# Altium PCB host_board.PcbDoc (part 7 of 8) (continued)
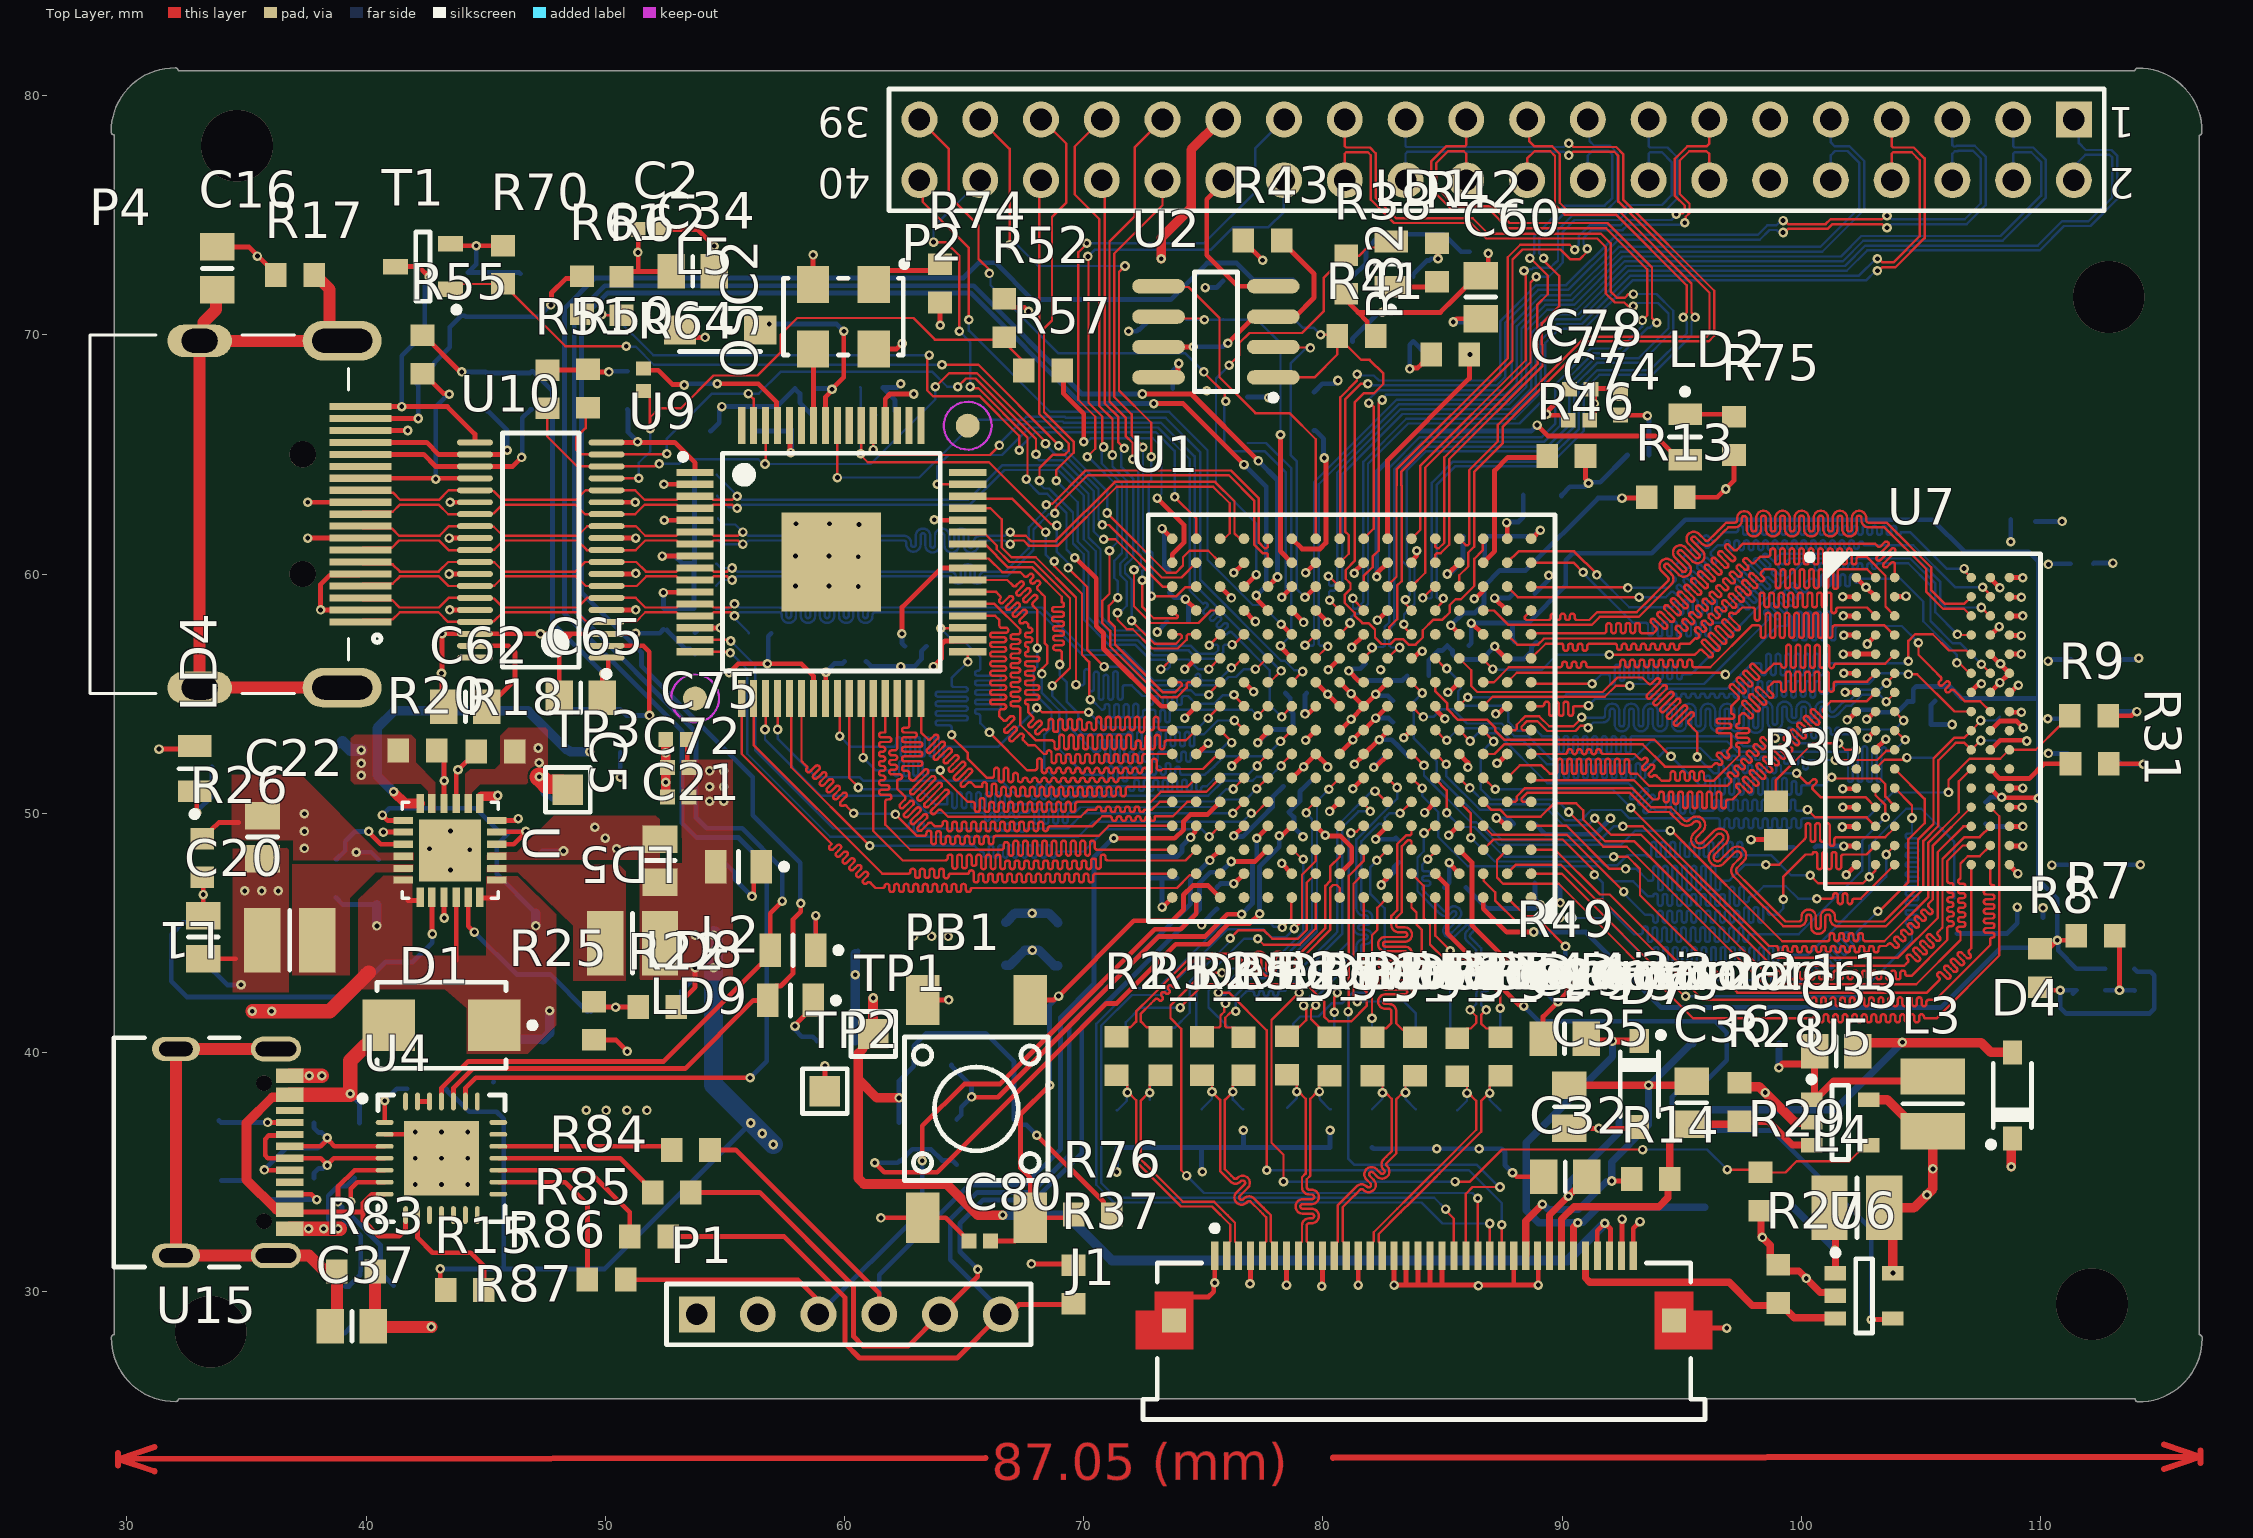
[diagram p0: Top Layer view]
## Nets (pads, with @x,y where several pads share a name; then routed paths per layer and width w, separated by ;. In a path a pad name is that pad's centre, name@x,y a point inside that pad or via, vN(x,y) a via of type N, cw(c..) or ccw(c..) an arc to the next point about the centre after c; other vN are vias at no path point) (continued)
HDMI_D11: U1.E15 U9.30 | length 31.8
  Top Layer w0.1: U9.30@62.2,54.8 62.2,52.925 62.2,52.825 62.2,52.725 cw(c62.1,52.725) 62.1,52.625 61.971,52.625 ccw(c61.971,52.525) 61.871,52.525 ccw(c61.971,52.525) 61.971,52.425 62.1,52.425 cw(c62.1,52.325) 62.2,52.325 cw(c62.1,52.325) 62.1,52.225 61.971,52.225 ccw(c61.971,52.125) 61.871,52.125 ccw(c61.971,52.125) 61.971,52.025 62.1,52.025 cw(c62.1,51.925) 62.2,51.925 cw(c62.1,51.925) 62.1,51.825 61.971,51.825 ccw(c61.971,51.725) 61.871,51.725 ccw(c61.971,51.725) 61.971,51.625 62.2,51.625 62.306,51.625 cw(c62.306,51.525) 62.406,51.525 cw(c62.306,51.525) 62.306,51.425 62.3,51.425 ccw(c62.3,51.325) 62.2,51.325 62.2,51.225 62.2,51.202 62.2,51.025 62.375,50.85 62.446,50.779 62.516,50.709 cw(c62.446,50.638) 62.516,50.567 62.327,50.378 ccw(c62.398,50.308) 62.327,50.237 ccw(c62.398,50.308) 62.469,50.237 62.729,50.496 cw(c62.799,50.426) 62.87,50.496 cw(c62.799,50.426) 62.87,50.355 62.507,49.992 ccw(c62.578,49.921) 62.507,49.851 ccw(c62.578,49.921) 62.649,49.851 63.011,50.214 cw(c63.082,50.143) 63.153,50.214 ; 63.153,50.213 cw(c63.082,50.143) 63.153,50.072 62.79,49.709 ccw(c62.861,49.639) 62.79,49.568 ccw(c62.861,49.639) 62.931,49.568 63.294,49.931 cw(c63.365,49.86) 63.435,49.931 ; 63.436,49.931 cw(c63.365,49.86) 63.436,49.789 63.073,49.426 ccw(c63.143,49.356) 63.073,49.285 ccw(c63.143,49.356) 63.214,49.285 63.506,49.577 cw(c63.577,49.507) 63.648,49.577 63.718,49.507 63.775,49.45 64,49.45 ccw(c64,49.55) 64.1,49.55 64.1,49.577 cw(c64.2,49.577) 64.2,49.677 cw(c64.2,49.577) 64.3,49.577 64.3,49.45 64.3,49.343 ccw(c64.4,49.343) 64.4,49.243 ccw(c64.4,49.343) 64.5,49.343 64.5,49.45 64.5,49.55 cw(c64.6,49.55) 64.6,49.65 cw(c64.6,49.55) 64.7,49.55 64.7,49.45 64.7,49.343 ccw(c64.8,49.343) 64.8,49.243 ccw(c64.8,49.343) 64.9,49.343 64.9,49.45 64.9,49.55 cw(c65,49.55) 65,49.65 cw(c65,49.55) 65.1,49.55 65.1,49.45 65.1,49.343 ccw(c65.2,49.343) 65.2,49.243 ccw(c65.2,49.343) 65.3,49.343 65.3,49.45 65.3,49.55 cw(c65.4,49.55) 65.4,49.65 cw(c65.4,49.55) 65.5,49.55 65.5,49.45 65.5,49.343 ccw(c65.6,49.343) 65.6,49.243 ccw(c65.6,49.343) 65.7,49.343 65.7,49.45 65.7,49.55 cw(c65.8,49.55) 65.8,49.65 cw(c65.8,49.55) 65.9,49.55 65.9,49.45 65.9,49.343 ccw(c66,49.343) 66,49.243 ccw(c66,49.343) 66.1,49.343 66.1,49.45 66.1,49.55 cw(c66.2,49.55) 66.2,49.65 cw(c66.2,49.55) 66.3,49.55 66.3,49.45 66.3,49.35 ccw(c66.4,49.35) 66.4,49.25 ccw(c66.4,49.35) 66.5,49.35 66.5,49.45 66.5,49.55 cw(c66.6,49.55) 66.6,49.65 cw(c66.6,49.55) 66.7,49.55 66.7,49.45 66.7,49.35 ccw(c66.8,49.35) 66.8,49.25 ccw(c66.8,49.35) 66.9,49.35 66.9,49.45 66.9,49.55 cw(c67,49.55) 67,49.65 cw(c67,49.55) 67.1,49.55 67.1,49.45 67.1,49.35 ccw(c67.2,49.35) 67.2,49.25 ccw(c67.2,49.35) 67.3,49.35 67.3,49.45 67.3,49.55 cw(c67.4,49.55) 67.4,49.65 cw(c67.4,49.55) 67.5,49.55 67.5,49.45 67.5,49.35 ccw(c67.6,49.35) 67.6,49.25 ccw(c67.6,49.35) 67.7,49.35 67.7,49.45 67.7,49.55 cw(c67.8,49.55) 67.8,49.65 cw(c67.8,49.55) 67.9,49.55 67.9,49.45 67.9,49.35 ccw(c68,49.35) 68,49.25 ccw(c68,49.35) 68.1,49.35 68.1,49.45 68.1,49.55 cw(c68.2,49.55) 68.2,49.65 cw(c68.2,49.55) 68.3,49.55 68.3,49.45 68.3,49.35 ccw(c68.4,49.35) 68.4,49.25 ccw(c68.4,49.35) 68.5,49.35 cw(c68.6,49.35) 68.6,49.45 70.35,49.45 70.599,49.699 70.775,49.875 70.875,49.875 70.975,49.875 71.075,49.875 cw(c71.075,49.775) 71.175,49.775 ccw(c71.275,49.775) 71.275,49.675 ccw(c71.275,49.775) 71.375,49.775 cw(c71.475,49.775) 71.475,49.875 cw(c71.475,49.775) 71.575,49.775 ccw(c71.675,49.775) 71.675,49.675 ccw(c71.675,49.775) 71.775,49.775 cw(c71.875,49.775) 71.875,49.875 cw(c71.875,49.775) 71.975,49.775 ccw(c72.075,49.775) 72.075,49.675 ccw(c72.075,49.775) 72.175,49.775 cw(c72.275,49.775) 72.275,49.875 cw(c72.275,49.775) 72.375,49.775 ccw(c72.475,49.775) 72.475,49.675 ccw(c72.475,49.775) 72.575,49.775 cw(c72.675,49.775) 72.675,49.875 cw(c72.675,49.775) 72.775,49.775 ccw(c72.875,49.775) 72.875,49.675 ccw(c72.875,49.775) 72.975,49.775 72.975,49.85 cw(c73,49.85) 73,49.875 73.725,49.875 74.325,50.475 U1.E15@74.7,50.475
HDMI_D12: U1.C16 U9.29 | length 31.6
  Top Layer w0.1: U9.29@61.7,54.8 61.7,53.4 cw(c61.675,53.4) 61.675,53.375 61.54,53.375 ccw(c61.54,53.275) 61.44,53.275 ccw(c61.54,53.275) 61.54,53.175 61.7,53.175 61.86,53.175 cw(c61.86,53.075) 61.96,53.075 cw(c61.86,53.075) 61.86,52.975 61.7,52.975 61.54,52.975 ccw(c61.54,52.875) 61.44,52.875 ccw(c61.54,52.875) 61.54,52.775 61.6,52.775 cw(c61.6,52.675) 61.7,52.675 cw(c61.6,52.675) 61.6,52.575 61.54,52.575 ccw(c61.54,52.475) 61.44,52.475 ccw(c61.54,52.475) 61.54,52.375 61.6,52.375 cw(c61.6,52.275) 61.7,52.275 cw(c61.6,52.275) 61.6,52.175 61.54,52.175 ccw(c61.54,52.075) 61.44,52.075 ccw(c61.54,52.075) 61.54,51.975 61.6,51.975 cw(c61.6,51.875) 61.7,51.875 cw(c61.6,51.875) 61.6,51.775 61.54,51.775 ccw(c61.54,51.675) 61.44,51.675 ccw(c61.54,51.675) 61.54,51.575 61.6,51.575 cw(c61.6,51.475) 61.7,51.475 cw(c61.6,51.475) 61.6,51.375 61.54,51.375 ccw(c61.54,51.275) 61.44,51.275 ccw(c61.54,51.275) 61.54,51.175 61.7,51.175 61.77,51.175 cw(c61.77,51.075) 61.87,51.075 cw(c61.77,51.075) 61.77,50.975 61.7,50.975 61.54,50.975 ccw(c61.54,50.875) 61.44,50.875 ccw(c61.54,50.875) 61.54,50.775 61.7,50.775 61.86,50.775 cw(c61.86,50.675) 61.96,50.675 cw(c61.86,50.675) 61.86,50.575 61.8,50.575 ccw(c61.8,50.475) 61.7,50.475 61.7,50.375 61.7,50.275 61.7,49.525 62.75,48.475 66.34,48.475 66.56,48.475 ccw(c66.56,48.575) 66.66,48.575 66.66,48.695 cw(c66.76,48.695) 66.86,48.695 66.86,48.325 ccw(c66.96,48.325) 67.06,48.325 67.06,48.75 cw(c67.16,48.75) 67.26,48.75 67.26,48.325 ccw(c67.36,48.325) 67.46,48.325 67.46,48.75 cw(c67.56,48.75) 67.66,48.75 67.66,48.325 ccw(c67.76,48.325) 67.86,48.325 67.86,48.75 cw(c67.96,48.75) 68.06,48.75 68.06,48.325 ccw(c68.16,48.325) 68.26,48.325 68.26,48.75 cw(c68.36,48.75) 68.46,48.75 68.46,48.325 ccw(c68.56,48.325) 68.66,48.325 68.66,48.75 cw(c68.76,48.75) 68.86,48.75 68.86,48.325 ccw(c68.96,48.325) 69.06,48.325 69.06,48.75 cw(c69.16,48.75) 69.26,48.75 69.26,48.325 ccw(c69.36,48.325) 69.46,48.325 69.46,48.75 cw(c69.56,48.75) 69.66,48.75 69.66,48.325 ccw(c69.76,48.325) 69.86,48.325 69.86,48.75 cw(c69.96,48.75) 70.06,48.75 70.06,48.325 ccw(c70.16,48.325) 70.26,48.325 70.26,48.75 cw(c70.36,48.75) 70.46,48.75 70.46,48.575 ccw(c70.56,48.575) 70.56,48.475 71.21,48.475 U1.C16@73.7,48.475
HDMI_D13: U1.C15 U9.28 | length 31.6
  Top Layer w0.1: U9.28@61.2,54.8 61.2,49.26 62.435,48.025 64.21,48.025 ccw(c64.21,48.125) 64.31,48.125 64.31,48.171 cw(c64.41,48.171) 64.41,48.271 cw(c64.41,48.171) 64.51,48.171 64.51,48.025 64.51,47.779 ccw(c64.61,47.779) 64.61,47.679 ccw(c64.61,47.779) 64.71,47.779 64.71,48.025 64.71,48.171 cw(c64.81,48.171) 64.81,48.271 cw(c64.81,48.171) 64.91,48.171 64.91,48.025 64.91,47.79 ccw(c65.01,47.79) 65.01,47.69 ccw(c65.01,47.79) 65.11,47.79 65.11,48.025 65.11,48.171 cw(c65.21,48.171) 65.21,48.271 cw(c65.21,48.171) 65.31,48.171 65.31,48.025 65.31,47.899 ccw(c65.41,47.899) 65.41,47.799 ccw(c65.41,47.899) 65.51,47.899 65.51,48.025 65.51,48.171 cw(c65.61,48.171) 65.61,48.271 cw(c65.61,48.171) 65.71,48.171 65.71,48.025 65.71,47.763 ccw(c65.81,47.763) 65.81,47.663 ccw(c65.81,47.763) 65.91,47.763 65.91,48.025 65.91,48.171 cw(c66.01,48.171) 66.01,48.271 cw(c66.01,48.171) 66.11,48.171 66.11,48.025 66.11,47.763 ccw(c66.21,47.763) 66.21,47.663 ccw(c66.21,47.763) 66.31,47.763 66.31,48.025 66.31,48.171 cw(c66.41,48.171) 66.41,48.271 cw(c66.41,48.171) 66.51,48.171 66.51,48.025 66.51,47.763 ccw(c66.61,47.763) 66.61,47.663 ccw(c66.61,47.763) 66.71,47.763 66.71,47.925 cw(c66.81,47.925) 66.81,48.025 cw(c66.81,47.925) 66.91,47.925 66.91,47.763 ccw(c67.01,47.763) 67.01,47.663 ccw(c67.01,47.763) 67.11,47.763 67.11,47.925 cw(c67.21,47.925) 67.21,48.025 cw(c67.21,47.925) 67.31,47.925 67.31,47.763 ccw(c67.41,47.763) 67.41,47.663 ccw(c67.41,47.763) 67.51,47.763 67.51,47.925 cw(c67.61,47.925) 67.61,48.025 cw(c67.61,47.925) 67.71,47.925 67.71,47.763 ccw(c67.81,47.763) 67.81,47.663 ccw(c67.81,47.763) 67.91,47.763 67.91,47.925 cw(c68.01,47.925) 68.01,48.025 cw(c68.01,47.925) 68.11,47.925 68.11,47.763 ccw(c68.21,47.763) 68.21,47.663 ccw(c68.21,47.763) 68.31,47.763 68.31,47.925 cw(c68.41,47.925) 68.41,48.025 cw(c68.41,47.925) 68.51,47.925 68.51,47.763 ccw(c68.61,47.763) 68.61,47.663 ccw(c68.61,47.763) 68.71,47.763 68.71,47.925 cw(c68.81,47.925) 68.81,48.025 cw(c68.81,47.925) 68.91,47.925 68.91,47.763 ccw(c69.01,47.763) 69.01,47.663 ccw(c69.01,47.763) 69.11,47.763 69.11,47.925 cw(c69.21,47.925) 69.21,48.025 cw(c69.21,47.925) 69.31,47.925 69.31,47.763 ccw(c69.41,47.763) 69.41,47.663 ccw(c69.41,47.763) 69.51,47.763 69.51,47.925 cw(c69.61,47.925) 69.61,48.025 cw(c69.61,47.925) 69.71,47.925 69.71,47.763 ccw(c69.81,47.763) 69.81,47.663 ccw(c69.81,47.763) 69.91,47.763 69.91,47.925 cw(c70.01,47.925) 70.01,48.025 cw(c70.01,47.925) 70.11,47.925 70.11,47.763 ccw(c70.21,47.763) 70.21,47.663 ccw(c70.21,47.763) 70.31,47.763 70.31,48.025 cw(c70.385,48.025) 70.385,48.1 70.435,48.1 cw(c70.435,48.025) 70.51,48.025 70.51,47.779 ccw(c70.61,47.779) 70.61,47.679 ccw(c70.61,47.779) 70.71,47.779 70.71,48.025 70.71,48.171 cw(c70.81,48.171) 70.81,48.271 cw(c70.81,48.171) 70.91,48.171 70.91,48.115 ccw(c71,48.115) 71,48.025 74.25,48.025 U1.C15@74.7,48.475
HDMI_D14: U1.F14 U9.27 | length 30.1
  Top Layer w0.1: U9.27@60.7,54.8 60.675,54.775 60.775,54.675 v1(60.775,52.325) ; v1(64,51.8) 64,51.625 65.15,50.475 65.25,50.475 65.35,50.475 cw(c65.35,50.375) 65.45,50.375 65.45,50.15 ccw(c65.55,50.15) 65.55,50.05 ccw(c65.55,50.15) 65.65,50.15 65.65,50.475 65.65,50.536 cw(c65.75,50.536) 65.75,50.636 cw(c65.75,50.536) 65.85,50.536 65.85,50.475 65.85,50.15 ccw(c65.95,50.15) 65.95,50.05 ccw(c65.95,50.15) 66.05,50.15 66.05,50.375 cw(c66.15,50.375) 66.15,50.475 cw(c66.15,50.375) 66.25,50.375 66.25,50.15 ccw(c66.35,50.15) 66.35,50.05 ccw(c66.35,50.15) 66.45,50.15 66.45,50.375 cw(c66.55,50.375) 66.55,50.475 cw(c66.55,50.375) 66.65,50.375 66.65,50.15 ccw(c66.75,50.15) 66.75,50.05 ccw(c66.75,50.15) 66.85,50.15 66.85,50.375 cw(c66.95,50.375) 66.95,50.475 cw(c66.95,50.375) 67.05,50.375 67.05,50.15 ccw(c67.15,50.15) 67.15,50.05 ccw(c67.15,50.15) 67.25,50.15 67.25,50.375 cw(c67.35,50.375) 67.35,50.475 cw(c67.35,50.375) 67.45,50.375 67.45,50.15 ccw(c67.55,50.15) 67.55,50.05 ccw(c67.55,50.15) 67.65,50.15 67.65,50.375 cw(c67.75,50.375) 67.75,50.475 cw(c67.75,50.375) 67.85,50.375 67.85,50.15 ccw(c67.95,50.15) 67.95,50.05 ccw(c67.95,50.15) 68.05,50.15 68.05,50.375 cw(c68.15,50.375) 68.15,50.475 cw(c68.15,50.375) 68.25,50.375 68.25,50.15 ccw(c68.35,50.15) 68.35,50.05 ccw(c68.35,50.15) 68.45,50.15 68.45,50.375 cw(c68.55,50.375) 68.55,50.475 cw(c68.55,50.375) 68.65,50.375 68.65,50.15 ccw(c68.75,50.15) 68.75,50.05 ccw(c68.75,50.15) 68.85,50.15 68.85,50.375 cw(c68.95,50.375) 68.95,50.475 cw(c68.95,50.375) 69.05,50.375 69.05,50.15 ccw(c69.15,50.15) 69.15,50.05 ccw(c69.15,50.15) 69.25,50.15 69.25,50.375 cw(c69.35,50.375) 69.35,50.475 cw(c69.35,50.375) 69.45,50.375 69.45,50.15 ccw(c69.55,50.15) 69.55,50.05 ccw(c69.55,50.15) 69.65,50.15 69.65,50.375 cw(c69.75,50.375) 69.75,50.475 69.85,50.475 70.05,50.475 70.075,50.475 72.8,50.475 73.225,50.9 75.125,50.9 U1.F14@75.7,51.475
  Bottom Layer w0.1: v1(60.775,52.325) 61.3,51.8 62,51.8 cw(c62,51.725) 62.075,51.725 62.075,51.65 ccw(c62.175,51.65) 62.175,51.55 ccw(c62.175,51.65) 62.275,51.65 62.275,51.8 62.275,52.075 cw(c62.375,52.075) 62.375,52.175 cw(c62.375,52.075) 62.475,52.075 62.475,51.8 62.475,51.65 ccw(c62.575,51.65) 62.575,51.55 ccw(c62.575,51.65) 62.675,51.65 62.675,51.8 62.675,52.075 cw(c62.775,52.075) 62.775,52.175 cw(c62.775,52.075) 62.875,52.075 62.875,51.8 62.875,51.65 ccw(c62.975,51.65) 62.975,51.55 ccw(c62.975,51.65) 63.075,51.65 63.075,51.8 63.075,52.075 cw(c63.175,52.075) 63.175,52.175 cw(c63.175,52.075) 63.275,52.075 63.275,51.8 63.275,51.65 ccw(c63.375,51.65) 63.375,51.55 ccw(c63.375,51.65) 63.475,51.65 63.475,51.7 cw(c63.575,51.7) 63.575,51.8 v1(64,51.8)
HDMI_D15: U1.F13 U9.26 | length 28.6
  Top Layer w0.1: U9.26@60.2,54.8 60.2,51.475 v1@60.6,51.075 ; v1(76.25,51.012) 76.25,51.025 U1.F13@76.7,51.475
  Bottom Layer w0.1: v1(60.575,51.075) 60.65,51 63.15,51 63.775,50.375 64.275,50.375 ccw(c64.275,50.4) 64.3,50.4 64.3,50.775 cw(c64.4,50.775) 64.4,50.875 cw(c64.4,50.775) 64.5,50.775 64.5,50.375 64.5,50.308 ccw(c64.6,50.308) 64.6,50.208 ccw(c64.6,50.308) 64.7,50.308 64.7,50.375 64.7,50.775 cw(c64.8,50.775) 64.8,50.875 cw(c64.8,50.775) 64.9,50.775 64.9,50.375 64.9,50.309 ccw(c65,50.309) 65,50.209 ccw(c65,50.309) 65.1,50.309 65.1,50.375 65.1,50.775 cw(c65.2,50.775) 65.2,50.875 cw(c65.2,50.775) 65.3,50.775 65.3,50.375 65.3,50.311 ccw(c65.4,50.311) 65.4,50.211 ccw(c65.4,50.311) 65.5,50.311 65.5,50.375 65.5,50.775 cw(c65.6,50.775) 65.6,50.875 cw(c65.6,50.775) 65.7,50.775 65.7,50.375 65.7,50.313 ccw(c65.8,50.313) 65.8,50.213 ccw(c65.8,50.313) 65.9,50.313 65.9,50.375 65.9,50.775 cw(c66,50.775) 66,50.875 cw(c66,50.775) 66.1,50.775 66.1,50.375 66.1,50.314 ccw(c66.2,50.314) 66.2,50.214 ccw(c66.2,50.314) 66.3,50.314 66.3,50.375 66.3,50.775 cw(c66.4,50.775) 66.4,50.875 cw(c66.4,50.775) 66.5,50.775 66.5,50.375 66.5,50.316 ccw(c66.6,50.316) 66.6,50.216 ccw(c66.6,50.316) 66.7,50.316 66.7,50.375 66.7,50.701 cw(c66.8,50.701) 66.8,50.801 cw(c66.8,50.701) 66.9,50.701 66.9,50.375 66.9,50.317 ccw(c67,50.317) 67,50.217 ccw(c67,50.317) 67.1,50.317 cw(c67.158,50.317) 67.158,50.375 67.2,50.375 69.5,50.375 69.596,50.471 69.743,50.471 75.443,50.493 75.95,51 76.238,51 v1(76.25,51.012)
HDMI_D16: U1.D16 U9.22 | length 28.5
  Top Layer w0.1: U9.22@58.2,54.8 58.2,52.18 58.352,52.027 58.425,51.955 cw(c58.389,51.92) 58.425,51.885 ccw(c58.495,51.814) 58.425,51.743 ccw(c58.495,51.814) 58.566,51.743 58.601,51.779 58.791,51.968 cw(c58.862,51.898) 58.933,51.968 cw(c58.862,51.898) 58.933,51.827 58.743,51.637 58.707,51.602 ccw(c58.778,51.531) 58.707,51.46 ccw(c58.778,51.531) 58.849,51.46 58.884,51.496 59.074,51.686 cw(c59.145,51.615) 59.215,51.686 cw(c59.145,51.615) 59.215,51.544 59.026,51.354 58.99,51.319 ccw(c59.061,51.248) 58.99,51.178 ccw(c59.061,51.248) 59.132,51.178 59.167,51.213 59.357,51.403 cw(c59.428,51.332) 59.498,51.403 cw(c59.428,51.332) 59.498,51.261 59.308,51.072 59.273,51.036 ccw(c59.344,50.965) 59.273,50.895 ccw(c59.344,50.965) 59.414,50.895 59.45,50.93 59.64,51.12 cw(c59.71,51.049) 59.781,51.12 cw(c59.71,51.049) 59.781,50.979 59.591,50.789 59.556,50.753 ccw(c59.627,50.683) 59.556,50.612 ccw(c59.627,50.683) 59.697,50.612 59.733,50.647 59.922,50.837 cw(c59.993,50.766) 60.064,50.837 cw(c59.993,50.766) 60.064,50.696 59.874,50.506 59.839,50.471 ccw(c59.909,50.4) 59.839,50.329 ccw(c59.909,50.4) 59.98,50.329 cw(c60.016,50.294) 60.051,50.329 60.086,50.294 v1(60.38,50) ; v1(62.125,49.95) 63.025,49.05 63.325,49.05 ccw(c63.325,49.15) 63.425,49.15 63.425,49.172 cw(c63.525,49.172) 63.525,49.272 cw(c63.525,49.172) 63.625,49.172 63.625,49.05 63.625,48.801 ccw(c63.725,48.801) 63.725,48.701 ccw(c63.725,48.801) 63.825,48.801 63.825,49.05 63.825,49.15 cw(c63.925,49.15) 63.925,49.25 cw(c63.925,49.15) 64.025,49.15 64.025,49.05 64.025,48.801 ccw(c64.125,48.801) 64.125,48.701 ccw(c64.125,48.801) 64.225,48.801 64.225,48.95 cw(c64.325,48.95) 64.325,49.05 cw(c64.325,48.95) 64.425,48.95 64.425,48.801 ccw(c64.525,48.801) 64.525,48.701 ccw(c64.525,48.801) 64.625,48.801 64.625,48.95 cw(c64.725,48.95) 64.725,49.05 cw(c64.725,48.95) 64.825,48.95 64.825,48.801 ccw(c64.925,48.801) 64.925,48.701 ccw(c64.925,48.801) 65.025,48.801 65.025,48.95 cw(c65.125,48.95) 65.125,49.05 cw(c65.125,48.95) 65.225,48.95 65.225,48.801 ccw(c65.325,48.801) 65.325,48.701 ccw(c65.325,48.801) 65.425,48.801 65.425,48.95 cw(c65.525,48.95) 65.525,49.05 cw(c65.525,48.95) 65.625,48.95 65.625,48.801 ccw(c65.725,48.801) 65.725,48.701 ccw(c65.725,48.801) 65.825,48.801 65.825,48.95 cw(c65.925,48.95) 65.925,49.05 cw(c65.925,48.95) 66.025,48.95 66.025,48.801 ccw(c66.125,48.801) 66.125,48.701 ccw(c66.125,48.801) 66.225,48.801 66.225,48.95 cw(c66.325,48.95) 66.325,49.05 66.425,49.05 66.625,49.05 66.777,49.05 70.625,49.05 71.05,49.475 U1.D16@73.7,49.475
  Bottom Layer w0.1: v1(60.38,50) 60.405,49.975 62.1,49.975 v1(62.125,49.95)
HDMI_D17: U1.D14 U9.21 | length 29
  Top Layer w0.1: U9.21@57.775,54.425 57.775,51.925 61.05,48.65 v1(61.05,48.639) ; v3@75.25,49 v3(75.25,49.025) U1.D14@75.7,49.475
  Bottom Layer w0.1: v1(61.05,48.639) 65.436,48.639 65.675,48.4 65.725,48.4 cw(c65.725,48.3) 65.825,48.3 65.825,48.24 ccw(c65.925,48.24) 65.925,48.14 ccw(c65.925,48.24) 66.025,48.24 66.025,48.4 66.025,48.56 cw(c66.125,48.56) 66.125,48.66 cw(c66.125,48.56) 66.225,48.56 66.225,48.4 66.225,48.24 ccw(c66.325,48.24) 66.325,48.14 ccw(c66.325,48.24) 66.425,48.24 66.425,48.4 66.425,48.56 cw(c66.525,48.56) 66.525,48.66 cw(c66.525,48.56) 66.625,48.56 66.625,48.4 66.625,48.24 ccw(c66.725,48.24) 66.725,48.14 ccw(c66.725,48.24) 66.825,48.24 66.825,48.4 66.825,48.56 cw(c66.925,48.56) 66.925,48.66 cw(c66.925,48.56) 67.025,48.56 67.025,48.4 67.025,48.24 ccw(c67.125,48.24) 67.125,48.14 ccw(c67.125,48.24) 67.225,48.24 67.225,48.4 67.225,48.56 cw(c67.325,48.56) 67.325,48.66 cw(c67.325,48.56) 67.425,48.56 67.425,48.4 67.425,48.24 ccw(c67.525,48.24) 67.525,48.14 ccw(c67.525,48.24) 67.625,48.24 67.625,48.4 67.625,48.56 cw(c67.725,48.56) 67.725,48.66 cw(c67.725,48.56) 67.825,48.56 67.825,48.4 67.825,48.24 ccw(c67.925,48.24) 67.925,48.14 ccw(c67.925,48.24) 68.025,48.24 68.025,48.4 68.025,48.56 cw(c68.125,48.56) 68.125,48.66 cw(c68.125,48.56) 68.225,48.56 68.225,48.4 68.225,48.24 ccw(c68.325,48.24) 68.325,48.14 ccw(c68.325,48.24) 68.425,48.24 68.425,48.4 68.425,48.56 cw(c68.525,48.56) 68.525,48.66 cw(c68.525,48.56) 68.625,48.56 68.625,48.4 68.625,48.24 ccw(c68.725,48.24) 68.725,48.14 ccw(c68.725,48.24) 68.825,48.24 68.825,48.3 cw(c68.925,48.3) 68.925,48.4 70,48.4 70.936,49.336 74.923,49.336 75.234,49.025 v3(75.25,49.025)
HDMI_D18: U1.G11 U9.20 | length 30.2
  Top Layer w0.1: v1(57.2,53.5) U9.20@57.2,54.8 ; v1(78.25,51.975) 78.25,52.025 U1.G11@78.7,52.475
  Bottom Layer w0.1: v1(57.2,53.5) 57.2,53.125 58.825,51.5 60.645,51.5 60.795,51.35 66.575,51.35 67.198,50.727 67.7,50.727 67.773,50.727 cw(c67.773,50.675) 67.825,50.675 ccw(c67.925,50.675) 67.925,50.575 ccw(c67.925,50.675) 68.025,50.675 68.025,50.727 68.025,51.127 cw(c68.125,51.127) 68.125,51.227 cw(c68.125,51.127) 68.225,51.127 68.225,50.727 68.225,50.675 ccw(c68.325,50.675) 68.325,50.575 ccw(c68.325,50.675) 68.425,50.675 68.425,50.727 68.425,51.127 cw(c68.525,51.127) 68.525,51.227 cw(c68.525,51.127) 68.625,51.127 68.625,50.727 68.625,50.675 ccw(c68.725,50.675) 68.725,50.575 ccw(c68.725,50.675) 68.825,50.675 68.825,50.727 68.825,50.901 cw(c68.925,50.901) 68.925,51.001 cw(c68.925,50.901) 69.025,50.901 69.025,50.727 69.025,50.675 ccw(c69.125,50.675) 69.125,50.575 ccw(c69.125,50.675) 69.225,50.675 69.225,50.727 69.225,50.825 cw(c69.325,50.825) 69.325,50.925 cw(c69.325,50.825) 69.425,50.825 69.425,50.727 ccw(c69.482,50.727) 69.482,50.67 69.568,50.67 ccw(c69.568,50.727) 69.625,50.727 69.625,50.825 cw(c69.725,50.825) 69.725,50.925 cw(c69.725,50.825) 69.825,50.825 69.825,50.727 ccw(c69.88,50.727) 69.88,50.672 69.97,50.672 ccw(c69.97,50.727) 70.025,50.727 70.025,50.825 cw(c70.125,50.825) 70.125,50.925 cw(c70.125,50.825) 70.225,50.825 70.225,50.727 ccw(c70.278,50.727) 70.278,50.674 70.372,50.674 ccw(c70.372,50.727) 70.425,50.727 70.425,50.825 cw(c70.525,50.825) 70.525,50.925 cw(c70.525,50.825) 70.625,50.825 70.625,50.727 ccw(c70.677,50.727) 70.677,50.675 70.773,50.675 ccw(c70.773,50.727) 70.825,50.727 70.825,50.825 cw(c70.925,50.825) 70.925,50.925 cw(c70.925,50.825) 71.025,50.825 71.025,50.727 ccw(c71.075,50.727) 71.075,50.677 71.175,50.677 ccw(c71.175,50.727) 71.225,50.727 71.225,50.825 cw(c71.325,50.825) 71.325,50.925 cw(c71.325,50.825) 71.425,50.825 ccw(c71.523,50.825) 71.523,50.727 71.625,50.727 71.725,50.727 75.2,50.727 75.835,51.362 77.068,51.362 77.231,51.525 77.775,51.525 78.225,51.975 v1(78.25,51.975)
HDMI_D19: U1.F12 U9.19 | length 30.7
  Top Layer w0.1: v1@56.7,53.525 U9.19@56.7,54.8 ; v1(77.226,51.025) 77.676,51.475 U1.F12@77.7,51.475
  Bottom Layer w0.1: v1(56.675,53.5) 56.675,53.075 59.025,50.725 62.25,50.725 ; v1(77.226,51.025) 76.776,50.575 75.944,50.575 75.633,50.262 69.839,50.24 69.627,50.027 69.425,50.026 ccw(c69.425,49.926) 69.325,49.926 69.326,49.672 cw(c69.226,49.672) 69.227,49.572 cw(c69.226,49.672) 69.126,49.671 69.125,50.025 69.125,50.075 ccw(c69.025,50.075) 69.024,50.175 ccw(c69.025,50.075) 68.925,50.075 68.925,50.024 68.926,49.66 cw(c68.826,49.659) 68.827,49.559 cw(c68.826,49.659) 68.726,49.659 68.725,50.024 68.725,50.075 ccw(c68.625,50.075) 68.624,50.175 ccw(c68.625,50.075) 68.525,50.075 68.525,50.023 68.526,49.66 cw(c68.426,49.659) 68.427,49.559 cw(c68.426,49.659) 68.326,49.659 68.325,50.022 68.325,50.075 ccw(c68.225,50.075) 68.224,50.175 ccw(c68.225,50.075) 68.125,50.075 68.125,50.021 68.126,49.66 cw(c68.026,49.659) 68.027,49.559 cw(c68.026,49.659) 67.926,49.659 67.925,50.021 67.925,50.075 ccw(c67.825,50.075) 67.824,50.175 ccw(c67.825,50.075) 67.725,50.075 67.725,50.07 cw(c67.675,50.07) 67.675,50.02 67.375,50.019 ccw(c67.375,49.919) 67.275,49.918 67.275,49.901 cw(c67.175,49.901) 67.176,49.801 cw(c67.175,49.901) 67.075,49.901 67.075,49.917 ccw(c66.975,49.917) 66.975,50.017 ccw(c66.975,49.917) 66.875,49.917 66.875,49.901 cw(c66.775,49.901) 66.776,49.801 cw(c66.775,49.901) 66.675,49.901 66.675,49.916 ccw(c66.575,49.915) 66.575,50.015 ccw(c66.575,49.915) 66.475,49.915 66.476,49.789 cw(c66.376,49.788) 66.376,49.688 cw(c66.376,49.788) 66.276,49.788 66.275,49.914 ccw(c66.175,49.914) 66.175,50.014 ccw(c66.175,49.914) 66.075,49.914 66.076,49.787 cw(c65.976,49.787) 65.976,49.687 cw(c65.976,49.787) 65.876,49.786 65.875,49.913 ccw(c65.775,49.912) 65.775,50.012 65.725,50.012 63.45,50.004 62.723,50.725 ; 62.25,50.725 62.723,50.725 ; 62.25,50.725 62.721,50.727 62.723,50.725
HDMI_D20: U1.B16 U9.18 | length 31.6
  Top Layer w0.1: U9.18@56.2,54.8 56.2,52.85 61.575,47.475 62.675,47.475 ccw(c62.675,47.55) 62.75,47.55 62.75,47.58 cw(c62.85,47.58) 62.85,47.68 cw(c62.85,47.58) 62.95,47.58 62.95,47.475 62.95,47.391 ccw(c63.05,47.391) 63.05,47.291 ccw(c63.05,47.391) 63.15,47.391 63.15,47.475 63.15,47.58 cw(c63.25,47.58) 63.25,47.68 cw(c63.25,47.58) 63.35,47.58 63.35,47.475 63.35,47.391 ccw(c63.45,47.391) 63.45,47.291 ccw(c63.45,47.391) 63.55,47.391 63.55,47.475 63.55,47.58 cw(c63.65,47.58) 63.65,47.68 cw(c63.65,47.58) 63.75,47.58 63.75,47.475 63.75,47.391 ccw(c63.85,47.391) 63.85,47.291 ccw(c63.85,47.391) 63.95,47.391 63.95,47.475 63.95,47.58 cw(c64.05,47.58) 64.05,47.68 cw(c64.05,47.58) 64.15,47.58 64.15,47.475 64.15,47.375 ccw(c64.25,47.375) 64.25,47.275 ccw(c64.25,47.375) 64.35,47.375 cw(c64.45,47.375) 64.45,47.475 65.1,47.475 65.165,47.475 ccw(c65.165,47.51) 65.2,47.51 cw(c65.3,47.51) 65.3,47.61 cw(c65.3,47.51) 65.4,47.51 65.4,47.475 65.4,47.206 ccw(c65.5,47.206) 65.5,47.106 ccw(c65.5,47.206) 65.6,47.206 65.6,47.375 cw(c65.7,47.375) 65.7,47.475 cw(c65.7,47.375) 65.8,47.375 65.8,47.206 ccw(c65.9,47.206) 65.9,47.106 ccw(c65.9,47.206) 66,47.206 66,47.375 cw(c66.1,47.375) 66.1,47.475 cw(c66.1,47.375) 66.2,47.375 66.2,47.206 ccw(c66.3,47.206) 66.3,47.106 ccw(c66.3,47.206) 66.4,47.206 66.4,47.375 cw(c66.5,47.375) 66.5,47.475 cw(c66.5,47.375) 66.6,47.375 66.6,47.206 ccw(c66.7,47.206) 66.7,47.106 ccw(c66.7,47.206) 66.8,47.206 66.8,47.375 cw(c66.9,47.375) 66.9,47.475 cw(c66.9,47.375) 67,47.375 67,47.206 ccw(c67.1,47.206) 67.1,47.106 ccw(c67.1,47.206) 67.2,47.206 67.2,47.375 cw(c67.3,47.375) 67.3,47.475 cw(c67.3,47.375) 67.4,47.375 67.4,47.206 ccw(c67.5,47.206) 67.5,47.106 ccw(c67.5,47.206) 67.6,47.206 67.6,47.375 cw(c67.7,47.375) 67.7,47.475 cw(c67.7,47.375) 67.8,47.375 67.8,47.206 ccw(c67.9,47.206) 67.9,47.106 ccw(c67.9,47.206) 68,47.206 68,47.375 cw(c68.1,47.375) 68.1,47.475 cw(c68.1,47.375) 68.2,47.375 68.2,47.206 ccw(c68.3,47.206) 68.3,47.106 ccw(c68.3,47.206) 68.4,47.206 68.4,47.375 cw(c68.5,47.375) 68.5,47.475 cw(c68.5,47.375) 68.6,47.375 68.6,47.206 ccw(c68.7,47.206) 68.7,47.106 ccw(c68.7,47.206) 68.8,47.206 68.8,47.375 cw(c68.9,47.375) 68.9,47.475 cw(c68.9,47.375) 69,47.375 69,47.206 ccw(c69.1,47.206) 69.1,47.106 ccw(c69.1,47.206) 69.2,47.206 69.2,47.375 cw(c69.3,47.375) 69.3,47.475 cw(c69.3,47.375) 69.4,47.375 69.4,47.206 ccw(c69.5,47.206) 69.5,47.106 ccw(c69.5,47.206) 69.6,47.206 69.6,47.375 cw(c69.7,47.375) 69.7,47.475 cw(c69.7,47.375) 69.8,47.375 69.8,47.206 ccw(c69.9,47.206) 69.9,47.106 ccw(c69.9,47.206) 70,47.206 70,47.375 cw(c70.1,47.375) 70.1,47.475 cw(c70.1,47.375) 70.2,47.375 70.2,47.206 ccw(c70.3,47.206) 70.3,47.106 ccw(c70.3,47.206) 70.4,47.206 70.4,47.375 cw(c70.5,47.375) 70.5,47.475 70.6,47.475 70.78,47.475 U1.B16@73.7,47.475